# KiCad board uf2-batch-flasher.kicad_pcb (continued)
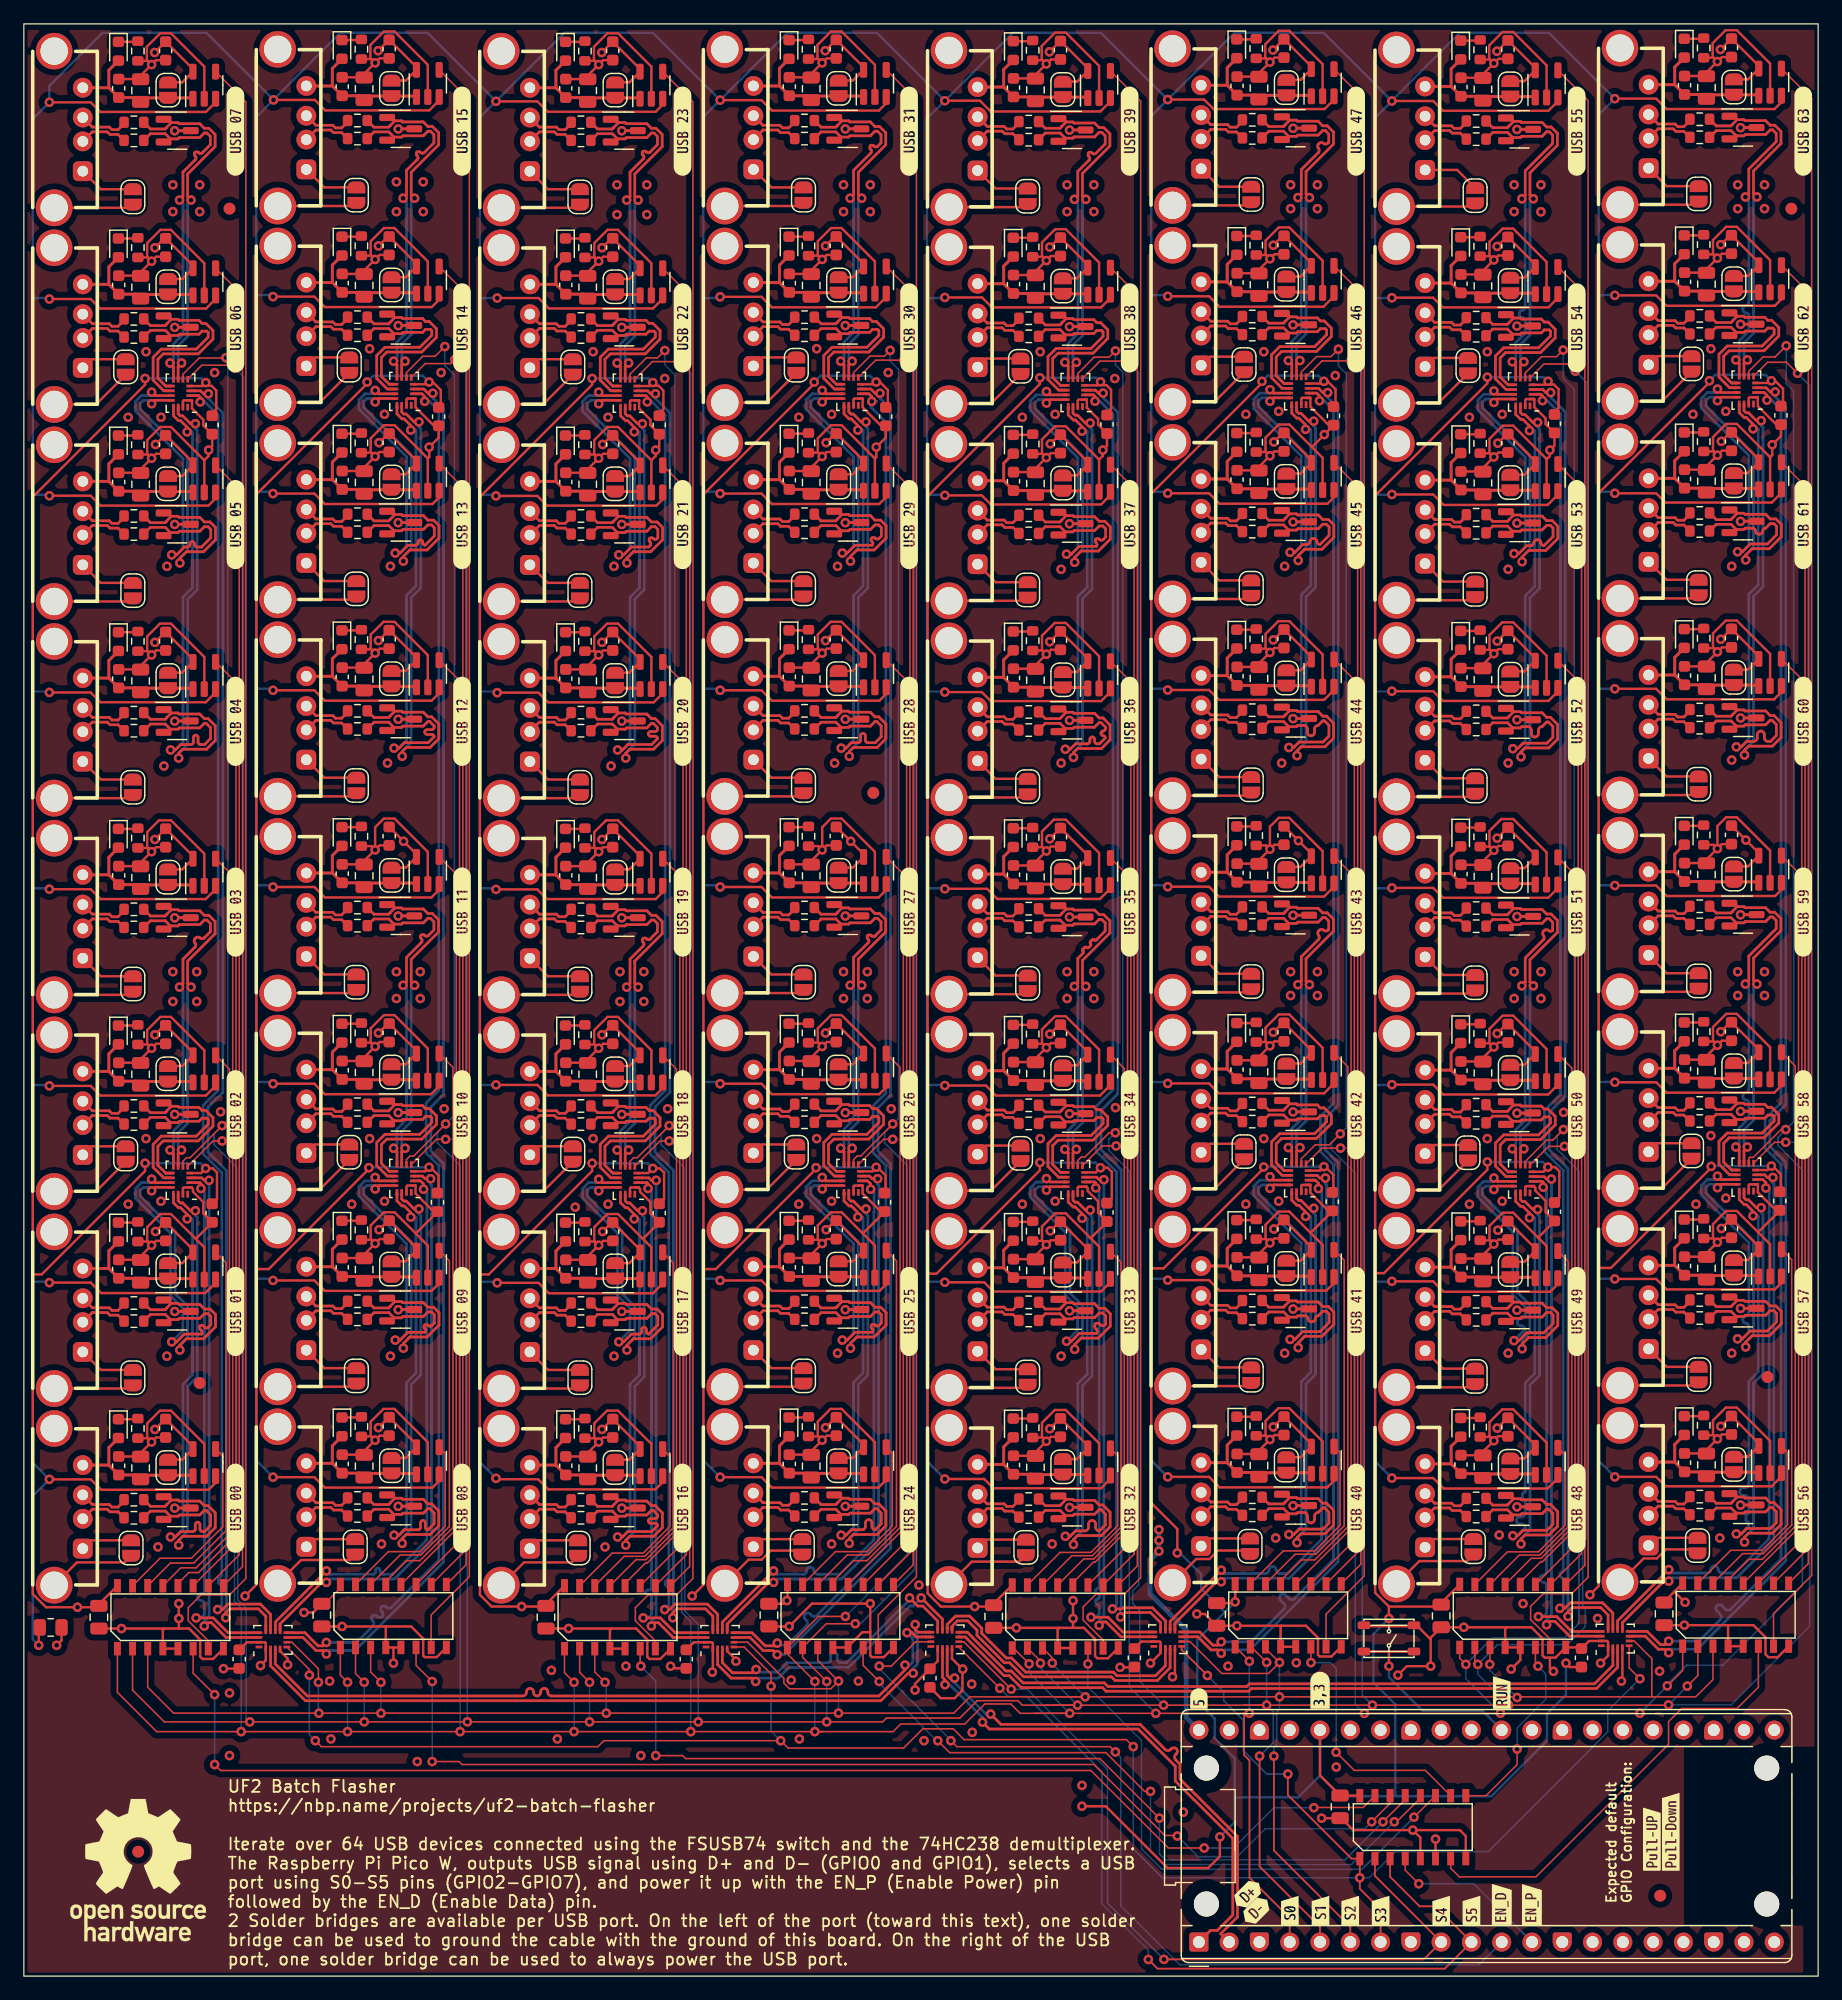
[diagram p0: board, top side]
## Nets (continued)
/16usb-ports2/4usb-port1/usb-port2/VBUS: C5602.1 C5605.1 D5601.2 J5601.1 JP5602.1 U5601.1
/16usb-ports2/4usb-port1/usb-port3/VBUS: C6402.1 C6405.1 D6401.2 J6401.1 JP6402.1 U6401.1
/16usb-ports2/4usb-port2/usb-port0/VBUS: C5402.1 C5405.1 D5401.2 J5401.1 JP5402.1 U5401.1
/16usb-ports2/4usb-port2/usb-port1/VBUS: C4602.1 C4605.1 D4601.2 J4601.1 JP4602.1 U4601.1
/16usb-ports2/4usb-port2/usb-port2/VBUS: C4502.1 C4505.1 D4501.2 J4501.1 JP4502.1 U4501.1
/16usb-ports2/4usb-port2/usb-port3/VBUS: C5302.1 C5305.1 D5301.2 J5301.1 JP5302.1 U5301.1
/16usb-ports2/4usb-port3/usb-port0/VBUS: C5702.1 C5705.1 D5701.2 J5701.1 JP5702.1 U5701.1
/16usb-ports2/4usb-port3/usb-port1/VBUS: C4702.1 C4705.1 D4701.2 J4701.1 JP4702.1 U4701.1
/16usb-ports2/4usb-port3/usb-port2/VBUS: C5802.1 C5805.1 D5801.2 J5801.1 JP5802.1 U5801.1
/16usb-ports2/4usb-port3/usb-port3/VBUS: C6202.1 C6205.1 D6201.2 J6201.1 JP6202.1 U6201.1
/16usb-ports3/4usb-port0/usb-port0/VBUS: C8402.1 C8405.1 D8401.2 J8401.1 JP8402.1 U8401.1
/16usb-ports3/4usb-port0/usb-port1/VBUS: C6902.1 C6905.1 D6901.2 J6901.1 JP6902.1 U6901.1
/16usb-ports3/4usb-port0/usb-port2/VBUS: C7002.1 C7005.1 D7001.2 J7001.1 JP7002.1 U7001.1
/16usb-ports3/4usb-port0/usb-port3/VBUS: C8002.1 C8005.1 D8001.2 J8001.1 JP8002.1 U8001.1
/16usb-ports3/4usb-port1/usb-port0/VBUS: C6602.1 C6605.1 D6601.2 J6601.1 JP6602.1 U6601.1
/16usb-ports3/4usb-port1/usb-port1/VBUS: C6702.1 C6705.1 D6701.2 J6701.1 JP6702.1 U6701.1
/16usb-ports3/4usb-port1/usb-port2/VBUS: C7902.1 C7905.1 D7901.2 J7901.1 JP7902.1 U7901.1
/16usb-ports3/4usb-port1/usb-port3/VBUS: C7402.1 C7405.1 D7401.2 J7401.1 JP7402.1 U7401.1
/16usb-ports3/4usb-port2/usb-port0/VBUS: C7502.1 C7505.1 D7501.2 J7501.1 JP7502.1 U7501.1
/16usb-ports3/4usb-port2/usb-port1/VBUS: C8202.1 C8205.1 D8201.2 J8201.1 JP8202.1 U8201.1
/16usb-ports3/4usb-port2/usb-port2/VBUS: C6802.1 C6805.1 D6801.2 J6801.1 JP6802.1 U6801.1
/16usb-ports3/4usb-port2/usb-port3/VBUS: C7302.1 C7305.1 D7301.2 J7301.1 JP7302.1 U7301.1
/16usb-ports3/4usb-port3/usb-port0/VBUS: C7202.1 C7205.1 D7201.2 J7201.1 JP7202.1 U7201.1
/16usb-ports3/4usb-port3/usb-port1/VBUS: C7702.1 C7705.1 D7701.2 J7701.1 JP7702.1 U7701.1
/16usb-ports3/4usb-port3/usb-port2/VBUS: C7602.1 C7605.1 D7601.2 J7601.1 JP7602.1 U7601.1
/16usb-ports3/4usb-port3/usb-port3/VBUS: C8302.1 C8305.1 D8301.2 J8301.1 JP8302.1 U8301.1
GND: C101.2 C102.2 C201.2 C202.2 C203.2 C301.2 C401.2 C402.2 C405.2 C501.2 C502.2 C505.2 C601.2 C602.2 C605.2 C701.2 C702.2 C705.2 C801.2 C901.2 C902.2 C905.2 C1001.2 C1002.2 C1005.2 C1101.2 C1102.2 C1105.2 C1201.2 C1202.2 C1205.2 C1301.2 C1401.2 C1402.2 C1405.2 C1501.2 C1502.2 C1505.2 C1601.2 C1602.2 C1605.2 C1701.2 C1702.2 C1705.2 C1801.2 C1901.2 C1902.2 C1905.2 C2001.2 C2002.2 C2005.2 C2101.2 C2102.2 C2105.2 C2201.2 C2202.2 C2205.2 C2301.2 C2302.2 C2303.2 C2401.2 C2402.2 C2405.2 C2501.2 C2502.2 C2505.2 C2601.2 C2602.2 C2605.2 C2701.2 C2801.2 C2802.2 C2805.2 C2901.2 C2902.2 C2905.2 C3001.2 C3002.2 C3005.2 C3101.2 C3201.2 C3202.2 C3205.2 C3301.2 C3302.2 C3305.2 C3401.2 C3402.2 C3405.2 C3501.2 C3601.2 C3602.2 C3605.2 C3701.2 C3702.2 C3705.2 C3801.2 C3802.2 C3805.2 C3901.2 C3902.2 C3905.2 C4001.2 C4101.2 C4102.2 C4105.2 C4201.2 C4202.2 C4205.2 C4301.2 C4302.2 C4305.2 C4401.2 C4402.2 C4403.2 C4501.2 C4502.2 C4505.2 C4601.2 C4602.2 C4605.2 C4701.2 C4702.2 C4705.2 C4801.2 C4901.2 C4902.2 C4905.2 C5001.2 C5101.2 C5102.2 C5105.2 C5201.2 C5301.2 C5302.2 C5305.2 C5401.2 C5402.2 C5405.2 C5501.2 C5502.2 C5505.2 C5601.2 C5602.2 C5605.2 C5701.2 C5702.2 C5705.2 C5801.2 C5802.2 C5805.2 C5901.2 C6001.2 C6002.2 C6005.2 C6101.2 C6102.2 C6105.2 C6201.2 C6202.2 C6205.2 C6301.2 C6302.2 C6305.2 C6401.2 C6402.2 C6405.2 C6501.2 C6502.2 C6503.2 C6601.2 C6602.2 C6605.2 C6701.2 C6702.2 C6705.2 C6801.2 C6802.2 C6805.2 C6901.2 C6902.2 C6905.2 C7001.2 C7002.2 C7005.2 C7101.2 C7201.2 C7202.2 C7205.2 C7301.2 C7302.2 C7305.2 C7401.2 C7402.2 C7405.2 C7501.2 C7502.2 C7505.2 C7601.2 C7602.2 C7605.2 C7701.2 C7702.2 C7705.2 C7801.2 C7901.2 C7902.2 C7905.2 C8001.2 C8002.2 C8005.2 C8101.2 C8201.2 C8202.2 C8205.2 C8301.2 C8302.2 C8305.2 C8401.2 C8402.2 C8405.2 C8501.2 D402.3 D502.3 D602.3 D702.3 D902.3 D1002.3 D1102.3 D1202.3 D1402.3 D1502.3 D1602.3 D1702.3 D1902.3 D2002.3 D2102.3 D2202.3 D2402.3 D2502.3 D2602.3 D2802.3 D2902.3 D3002.3 D3202.3 D3302.3 D3402.3 D3602.3 D3702.3 D3802.3 D3902.3 D4102.3 D4202.3 D4302.3 D4502.3 D4602.3 D4702.3 D4902.3 D5102.3 D5302.3 D5402.3 D5502.3 D5602.3 D5702.3 D5802.3 D6002.3 D6102.3 D6202.3 D6302.3 D6402.3 D6602.3 D6702.3 D6802.3 D6902.3 D7002.3 D7202.3 D7302.3 D7402.3 D7502.3 D7602.3 D7702.3 D7902.3 D8002.3 D8202.3 D8302.3 D8402.3 J401.4 J501.4 J601.4 J701.4 J901.4 J1001.4 J1101.4 J1201.4 J1401.4 J1501.4 J1601.4 J1701.4 J1901.4 J2001.4 J2101.4 J2201.4 J2401.4 J2501.4 J2601.4 J2801.4 J2901.4 J3001.4 J3201.4 J3301.4 J3401.4 J3601.4 J3701.4 J3801.4 J3901.4 J4101.4 J4201.4 J4301.4 J4501.4 J4601.4 J4701.4 J4901.4 J5101.4 J5301.4 J5401.4 J5501.4 J5601.4 J5701.4 J5801.4 J6001.4 J6101.4 J6201.4 J6301.4 J6401.4 J6601.4 J6701.4 J6801.4 J6901.4 J7001.4 J7201.4 J7301.4 J7401.4 J7501.4 J7601.4 J7701.4 J7901.4 J8001.4 J8201.4 J8301.4 J8401.4 JP401.1 JP501.1 JP601.1 JP701.1 JP901.1 JP1001.1 JP1101.1 JP1201.1 JP1401.1 JP1501.1 JP1601.1 JP1701.1 JP1901.1 JP2001.1 JP2101.1 JP2201.1 JP2401.1 JP2501.1 JP2601.1 JP2801.1 JP2901.1 JP3001.1 JP3201.1 JP3301.1 JP3401.1 JP3601.1 JP3701.1 JP3801.1 JP3901.1 JP4101.1 JP4201.1 JP4301.1 JP4501.1 JP4601.1 JP4701.1 JP4901.1 JP5101.1 JP5301.1 JP5401.1 JP5501.1 JP5601.1 JP5701.1 JP5801.1 JP6001.1 JP6101.1 JP6201.1 JP6301.1 JP6401.1 JP6601.1 JP6701.1 JP6801.1 JP6901.1 JP7001.1 JP7201.1 JP7301.1 JP7401.1 JP7501.1 JP7601.1 JP7701.1 JP7901.1 JP8001.1 JP8201.1 JP8301.1 JP8401.1 R401.2 R502.2 R602.2 R702.2 R902.2 R1002.2 R1102.2 R1202.2 R1402.2 R1502.2 R1602.2 R1702.2 R1902.2 R2002.2 R2102.2 R2202.2 R2402.2 R2502.2 R2602.2 R2802.2 R2902.2 R3002.2 R3202.2 R3302.2 R3402.2 R3602.2 R3702.2 R3802.2 R3902.2 R4102.2 R4202.2 R4302.2 R4502.2 R4602.2 R4702.2 R4902.2 R5102.2 R5302.2 R5402.2 R5502.2 R5602.2 R5702.2 R5802.2 R6002.2 R6102.2 R6202.2 R6302.2 R6402.2 R6602.2 R6702.2 R6802.2 R6902.2 R7002.2 R7202.2 R7302.2 R7402.2 R7502.2 R7602.2 R7702.2 R7902.2 R8002.2 R8202.2 R8302.2 R8402.2 SW101.1 SW101.2 U102.1 U103.5 U103.8 U104.3 U104.8 U104.13 U104.18 U104.23 U104.28 U104.33 U104.38 U201.1 U201.15 U202.4 U202.5 U202.8 U203.4 U203.5 U203.8 U301.1 U301.15 U401.2 U501.2 U601.2 U701.2 U801.1 U801.15 U901.2 U1001.2 U1101.2 U1201.2 U1301.1 U1301.15 U1401.2 U1501.2 U1601.2 U1701.2 U1801.1 U1801.15 U1901.2 U2001.2 U2101.2 U2201.2 U2301.4 U2301.5 U2301.8 U2302.4 U2302.5 U2302.8 U2303.1 U2303.15 U2401.2 U2501.2 U2601.2 U2701.1 U2701.15 U2801.2 U2901.2 U3001.2 U3101.1 U3101.15 U3201.2 U3301.2 U3401.2 U3501.1 U3501.15 U3601.2 U3701.2 U3801.2 U3901.2 U4001.1 U4001.15 U4101.2 U4201.2 U4301.2 U4401.4 U4401.5 U4401.8 U4402.4 U4402.5 U4402.8 U4403.1 U4403.15 U4501.2 U4601.2 U4701.2 U4801.1 U4801.15 U4901.2 U5001.1 U5001.15 U5101.2 U5201.1 U5201.15 U5301.2 U5401.2 U5501.2 U5601.2 U5701.2 U5801.2 U5901.1 U5901.15 U6001.2 U6101.2 U6201.2 U6301.2 U6401.2 U6501.4 U6501.5 U6501.8 U6502.4 U6502.5 U6502.8 U6503.1 U6503.15 U6601.2 U6701.2 U6801.2 U6901.2 U7001.2 U7101.1 U7101.15 U7201.2 U7301.2 U7401.2 U7501.2 U7601.2 U7701.2 U7801.1 U7801.15 U7901.2 U8001.2 U8101.1 U8101.15 U8201.2 U8301.2 U8401.2 U8501.1 U8501.15
/16usb-ports0/4usb-port0/D0+: D402.2 R403.2 U301.13
/16usb-ports0/4usb-port0/D0-: D402.1 R404.2 U301.14
/16usb-ports0/4usb-port0/D1+: D502.2 R503.2 U301.11
/16usb-ports0/4usb-port0/D1-: D502.1 R504.2 U301.12
/16usb-ports0/4usb-port0/D2+: D602.2 R603.2 U301.10
/16usb-ports0/4usb-port0/D2-: D602.1 R604.2 U301.9
/16usb-ports0/4usb-port0/D3+: D702.2 R703.2 U301.8
/16usb-ports0/4usb-port0/D3-: D702.1 R704.2 U301.7
/16usb-ports0/4usb-port0/D+: U201.13 U301.2
/16usb-ports0/4usb-port0/D-: U201.14 U301.3
/16usb-ports0/4usb-port0/usb-port0/Conn_D+: J401.3 R403.1
/16usb-ports0/4usb-port0/usb-port0/Conn_D-: J401.2 R404.1
/16usb-ports0/4usb-port0/usb-port1/Conn_D+: J501.3 R503.1
/16usb-ports0/4usb-port0/usb-port1/Conn_D-: J501.2 R504.1
/16usb-ports0/4usb-port0/usb-port2/Conn_D+: J601.3 R603.1
/16usb-ports0/4usb-port0/usb-port2/Conn_D-: J601.2 R604.1
/16usb-ports0/4usb-port0/usb-port3/Conn_D+: J701.3 R703.1
/16usb-ports0/4usb-port0/usb-port3/Conn_D-: J701.2 R704.1
/16usb-ports0/4usb-port1/D0+: D1002.2 R1003.2 U801.13
/16usb-ports0/4usb-port1/D0-: D1002.1 R1004.2 U801.14
/16usb-ports0/4usb-port1/D1+: D902.2 R903.2 U801.11
/16usb-ports0/4usb-port1/D1-: D902.1 R904.2 U801.12
/16usb-ports0/4usb-port1/D2+: D1102.2 R1103.2 U801.10
/16usb-ports0/4usb-port1/D2-: D1102.1 R1104.2 U801.9
/16usb-ports0/4usb-port1/D3+: D1202.2 R1203.2 U801.8
/16usb-ports0/4usb-port1/D3-: D1202.1 R1204.2 U801.7
/16usb-ports0/4usb-port1/D+: U201.11 U801.2
/16usb-ports0/4usb-port1/D-: U201.12 U801.3
/16usb-ports0/4usb-port1/usb-port0/Conn_D+: J1001.3 R1003.1
/16usb-ports0/4usb-port1/usb-port0/Conn_D-: J1001.2 R1004.1
/16usb-ports0/4usb-port1/usb-port1/Conn_D+: J901.3 R903.1
/16usb-ports0/4usb-port1/usb-port1/Conn_D-: J901.2 R904.1
/16usb-ports0/4usb-port1/usb-port2/Conn_D+: J1101.3 R1103.1
/16usb-ports0/4usb-port1/usb-port2/Conn_D-: J1101.2 R1104.1
/16usb-ports0/4usb-port1/usb-port3/Conn_D+: J1201.3 R1203.1
/16usb-ports0/4usb-port1/usb-port3/Conn_D-: J1201.2 R1204.1
/16usb-ports0/4usb-port2/D0+: D1602.2 R1603.2 U1301.13
/16usb-ports0/4usb-port2/D0-: D1602.1 R1604.2 U1301.14
/16usb-ports0/4usb-port2/D1+: D1702.2 R1703.2 U1301.11
/16usb-ports0/4usb-port2/D1-: D1702.1 R1704.2 U1301.12
/16usb-ports0/4usb-port2/D2+: D1402.2 R1403.2 U1301.10
/16usb-ports0/4usb-port2/D2-: D1402.1 R1404.2 U1301.9
/16usb-ports0/4usb-port2/D3+: D1502.2 R1503.2 U1301.8
/16usb-ports0/4usb-port2/D3-: D1502.1 R1504.2 U1301.7
/16usb-ports0/4usb-port2/D+: U201.10 U1301.2
/16usb-ports0/4usb-port2/D-: U201.9 U1301.3
/16usb-ports0/4usb-port2/usb-port0/Conn_D+: J1601.3 R1603.1
/16usb-ports0/4usb-port2/usb-port0/Conn_D-: J1601.2 R1604.1
/16usb-ports0/4usb-port2/usb-port1/Conn_D+: J1701.3 R1703.1
/16usb-ports0/4usb-port2/usb-port1/Conn_D-: J1701.2 R1704.1
/16usb-ports0/4usb-port2/usb-port2/Conn_D+: J1401.3 R1403.1
/16usb-ports0/4usb-port2/usb-port2/Conn_D-: J1401.2 R1404.1
/16usb-ports0/4usb-port2/usb-port3/Conn_D+: J1501.3 R1503.1
/16usb-ports0/4usb-port2/usb-port3/Conn_D-: J1501.2 R1504.1
/16usb-ports0/4usb-port3/D0+: D2202.2 R2203.2 U1801.13
/16usb-ports0/4usb-port3/D0-: D2202.1 R2204.2 U1801.14
/16usb-ports0/4usb-port3/D1+: D2102.2 R2103.2 U1801.11
/16usb-ports0/4usb-port3/D1-: D2102.1 R2104.2 U1801.12
/16usb-ports0/4usb-port3/D2+: D2002.2 R2003.2 U1801.10
/16usb-ports0/4usb-port3/D2-: D2002.1 R2004.2 U1801.9
/16usb-ports0/4usb-port3/D3+: D1902.2 R1903.2 U1801.8
/16usb-ports0/4usb-port3/D3-: D1902.1 R1904.2 U1801.7
/16usb-ports0/4usb-port3/D+: U201.8 U1801.2
/16usb-ports0/4usb-port3/D-: U201.7 U1801.3
/16usb-ports0/4usb-port3/usb-port0/Conn_D+: J2201.3 R2203.1
/16usb-ports0/4usb-port3/usb-port0/Conn_D-: J2201.2 R2204.1
/16usb-ports0/4usb-port3/usb-port1/Conn_D+: J2101.3 R2103.1
/16usb-ports0/4usb-port3/usb-port1/Conn_D-: J2101.2 R2104.1
/16usb-ports0/4usb-port3/usb-port2/Conn_D+: J2001.3 R2003.1
/16usb-ports0/4usb-port3/usb-port2/Conn_D-: J2001.2 R2004.1
/16usb-ports0/4usb-port3/usb-port3/Conn_D+: J1901.3 R1903.1
/16usb-ports0/4usb-port3/usb-port3/Conn_D-: J1901.2 R1904.1
/16usb-ports0/D+: U102.13 U201.2
/16usb-ports0/D-: U102.14 U201.3
/16usb-ports0/EN_00: U203.15 U401.4
/16usb-ports0/EN_01: U203.14 U501.4
/16usb-ports0/EN_02: U203.13 U601.4
/16usb-ports0/EN_03: U203.12 U701.4
/16usb-ports0/EN_04: U203.11 U1001.4
/16usb-ports0/EN_05: U203.10 U901.4
/16usb-ports0/EN_06: U203.9 U1101.4
/16usb-ports0/EN_07: U203.7 U1201.4
/16usb-ports0/EN_10: U202.15 U1601.4
/16usb-ports0/EN_11: U202.14 U1701.4
/16usb-ports0/EN_12: U202.13 U1401.4
/16usb-ports0/EN_13: U202.12 U1501.4
/16usb-ports0/EN_14: U202.11 U2201.4
/16usb-ports0/EN_15: U202.10 U2101.4
/16usb-ports0/EN_16: U202.9 U2001.4
/16usb-ports0/EN_17: U202.7 U1901.4
/16usb-ports1/4usb-port0/D0+: D3602.2 R3603.2 U3101.13
/16usb-ports1/4usb-port0/D0-: D3602.1 R3604.2 U3101.14
/16usb-ports1/4usb-port0/D1+: D3402.2 R3403.2 U3101.11
/16usb-ports1/4usb-port0/D1-: D3402.1 R3404.2 U3101.12
/16usb-ports1/4usb-port0/D2+: D3902.2 R3903.2 U3101.10
/16usb-ports1/4usb-port0/D2-: D3902.1 R3904.2 U3101.9
/16usb-ports1/4usb-port0/D3+: D4102.2 R4103.2 U3101.8
/16usb-ports1/4usb-port0/D3-: D4102.1 R4104.2 U3101.7
/16usb-ports1/4usb-port0/D+: U2303.13 U3101.2
/16usb-ports1/4usb-port0/D-: U2303.14 U3101.3
/16usb-ports1/4usb-port0/usb-port0/Conn_D+: J3601.3 R3603.1
/16usb-ports1/4usb-port0/usb-port0/Conn_D-: J3601.2 R3604.1
/16usb-ports1/4usb-port0/usb-port1/Conn_D+: J3401.3 R3403.1
/16usb-ports1/4usb-port0/usb-port1/Conn_D-: J3401.2 R3404.1
/16usb-ports1/4usb-port0/usb-port2/Conn_D+: J3901.3 R3903.1
/16usb-ports1/4usb-port0/usb-port2/Conn_D-: J3901.2 R3904.1
/16usb-ports1/4usb-port0/usb-port3/Conn_D+: J4101.3 R4103.1
/16usb-ports1/4usb-port0/usb-port3/Conn_D-: J4101.2 R4104.1
/16usb-ports1/4usb-port1/D0+: D2402.2 R2403.2 U4001.13
/16usb-ports1/4usb-port1/D0-: D2402.1 R2404.2 U4001.14
/16usb-ports1/4usb-port1/D1+: D3802.2 R3803.2 U4001.11
/16usb-ports1/4usb-port1/D1-: D3802.1 R3804.2 U4001.12
/16usb-ports1/4usb-port1/D2+: D3002.2 R3003.2 U4001.10
/16usb-ports1/4usb-port1/D2-: D3002.1 R3004.2 U4001.9
/16usb-ports1/4usb-port1/D3+: D3702.2 R3703.2 U4001.8
/16usb-ports1/4usb-port1/D3-: D3702.1 R3704.2 U4001.7
/16usb-ports1/4usb-port1/D+: U2303.11 U4001.2
/16usb-ports1/4usb-port1/D-: U2303.12 U4001.3
/16usb-ports1/4usb-port1/usb-port0/Conn_D+: J2401.3 R2403.1
/16usb-ports1/4usb-port1/usb-port0/Conn_D-: J2401.2 R2404.1
/16usb-ports1/4usb-port1/usb-port1/Conn_D+: J3801.3 R3803.1
/16usb-ports1/4usb-port1/usb-port1/Conn_D-: J3801.2 R3804.1
/16usb-ports1/4usb-port1/usb-port2/Conn_D+: J3001.3 R3003.1
/16usb-ports1/4usb-port1/usb-port2/Conn_D-: J3001.2 R3004.1
/16usb-ports1/4usb-port1/usb-port3/Conn_D+: J3701.3 R3703.1
/16usb-ports1/4usb-port1/usb-port3/Conn_D-: J3701.2 R3704.1
/16usb-ports1/4usb-port2/D0+: D2902.2 R2903.2 U3501.13
/16usb-ports1/4usb-port2/D0-: D2902.1 R2904.2 U3501.14
/16usb-ports1/4usb-port2/D1+: D3302.2 R3303.2 U3501.11
/16usb-ports1/4usb-port2/D1-: D3302.1 R3304.2 U3501.12
/16usb-ports1/4usb-port2/D2+: D3202.2 R3203.2 U3501.10
/16usb-ports1/4usb-port2/D2-: D3202.1 R3204.2 U3501.9
/16usb-ports1/4usb-port2/D3+: D2802.2 R2803.2 U3501.8
/16usb-ports1/4usb-port2/D3-: D2802.1 R2804.2 U3501.7
/16usb-ports1/4usb-port2/D+: U2303.10 U3501.2
/16usb-ports1/4usb-port2/D-: U2303.9 U3501.3
/16usb-ports1/4usb-port2/usb-port0/Conn_D+: J2901.3 R2903.1
/16usb-ports1/4usb-port2/usb-port0/Conn_D-: J2901.2 R2904.1
/16usb-ports1/4usb-port2/usb-port1/Conn_D+: J3301.3 R3303.1
/16usb-ports1/4usb-port2/usb-port1/Conn_D-: J3301.2 R3304.1
/16usb-ports1/4usb-port2/usb-port2/Conn_D+: J3201.3 R3203.1
/16usb-ports1/4usb-port2/usb-port2/Conn_D-: J3201.2 R3204.1
/16usb-ports1/4usb-port2/usb-port3/Conn_D+: J2801.3 R2803.1
/16usb-ports1/4usb-port2/usb-port3/Conn_D-: J2801.2 R2804.1
/16usb-ports1/4usb-port3/D0+: D4302.2 R4303.2 U2701.13
/16usb-ports1/4usb-port3/D0-: D4302.1 R4304.2 U2701.14
/16usb-ports1/4usb-port3/D1+: D2602.2 R2603.2 U2701.11
/16usb-ports1/4usb-port3/D1-: D2602.1 R2604.2 U2701.12
/16usb-ports1/4usb-port3/D2+: D2502.2 R2503.2 U2701.10
/16usb-ports1/4usb-port3/D2-: D2502.1 R2504.2 U2701.9
/16usb-ports1/4usb-port3/D3+: D4202.2 R4203.2 U2701.8
/16usb-ports1/4usb-port3/D3-: D4202.1 R4204.2 U2701.7
/16usb-ports1/4usb-port3/D+: U2303.8 U2701.2
/16usb-ports1/4usb-port3/D-: U2303.7 U2701.3
/16usb-ports1/4usb-port3/usb-port0/Conn_D+: J4301.3 R4303.1
/16usb-ports1/4usb-port3/usb-port0/Conn_D-: J4301.2 R4304.1
/16usb-ports1/4usb-port3/usb-port1/Conn_D+: J2601.3 R2603.1
/16usb-ports1/4usb-port3/usb-port1/Conn_D-: J2601.2 R2604.1
/16usb-ports1/4usb-port3/usb-port2/Conn_D+: J2501.3 R2503.1
/16usb-ports1/4usb-port3/usb-port2/Conn_D-: J2501.2 R2504.1
/16usb-ports1/4usb-port3/usb-port3/Conn_D+: J4201.3 R4203.1
/16usb-ports1/4usb-port3/usb-port3/Conn_D-: J4201.2 R4204.1
/16usb-ports1/D+: U102.11 U2303.2
/16usb-ports1/D-: U102.12 U2303.3
/16usb-ports1/EN_00: U2301.15 U3601.4
/16usb-ports1/EN_01: U2301.14 U3401.4
/16usb-ports1/EN_02: U2301.13 U3901.4
/16usb-ports1/EN_03: U2301.12 U4101.4
/16usb-ports1/EN_04: U2301.11 U2401.4
/16usb-ports1/EN_05: U2301.10 U3801.4
/16usb-ports1/EN_06: U2301.9 U3001.4
/16usb-ports1/EN_07: U2301.7 U3701.4
/16usb-ports1/EN_10: U2302.15 U2901.4
/16usb-ports1/EN_11: U2302.14 U3301.4
/16usb-ports1/EN_12: U2302.13 U3201.4
/16usb-ports1/EN_13: U2302.12 U2801.4
/16usb-ports1/EN_14: U2302.11 U4301.4
/16usb-ports1/EN_15: U2302.10 U2601.4
/16usb-ports1/EN_16: U2302.9 U2501.4
/16usb-ports1/EN_17: U2302.7 U4201.4
/16usb-ports2/4usb-port0/D0+: D4902.2 R4903.2 U4801.13
/16usb-ports2/4usb-port0/D0-: D4902.1 R4904.2 U4801.14
/16usb-ports2/4usb-port0/D1+: D6302.2 R6303.2 U4801.11
/16usb-ports2/4usb-port0/D1-: D6302.1 R6304.2 U4801.12
/16usb-ports2/4usb-port0/D2+: D6002.2 R6003.2 U4801.10
/16usb-ports2/4usb-port0/D2-: D6002.1 R6004.2 U4801.9
/16usb-ports2/4usb-port0/D3+: D6102.2 R6103.2 U4801.8
/16usb-ports2/4usb-port0/D3-: D6102.1 R6104.2 U4801.7
/16usb-ports2/4usb-port0/D+: U4403.13 U4801.2
/16usb-ports2/4usb-port0/D-: U4403.14 U4801.3
/16usb-ports2/4usb-port0/usb-port0/Conn_D+: J4901.3 R4903.1
/16usb-ports2/4usb-port0/usb-port0/Conn_D-: J4901.2 R4904.1
/16usb-ports2/4usb-port0/usb-port1/Conn_D+: J6301.3 R6303.1
/16usb-ports2/4usb-port0/usb-port1/Conn_D-: J6301.2 R6304.1
/16usb-ports2/4usb-port0/usb-port2/Conn_D+: J6001.3 R6003.1
/16usb-ports2/4usb-port0/usb-port2/Conn_D-: J6001.2 R6004.1
/16usb-ports2/4usb-port0/usb-port3/Conn_D+: J6101.3 R6103.1
/16usb-ports2/4usb-port0/usb-port3/Conn_D-: J6101.2 R6104.1
/16usb-ports2/4usb-port1/D0+: D5102.2 R5103.2 U5901.13
/16usb-ports2/4usb-port1/D0-: D5102.1 R5104.2 U5901.14
/16usb-ports2/4usb-port1/D1+: D5502.2 R5503.2 U5901.11
/16usb-ports2/4usb-port1/D1-: D5502.1 R5504.2 U5901.12
/16usb-ports2/4usb-port1/D2+: D5602.2 R5603.2 U5901.10
/16usb-ports2/4usb-port1/D2-: D5602.1 R5604.2 U5901.9
/16usb-ports2/4usb-port1/D3+: D6402.2 R6403.2 U5901.8
/16usb-ports2/4usb-port1/D3-: D6402.1 R6404.2 U5901.7
/16usb-ports2/4usb-port1/D+: U4403.11 U5901.2
/16usb-ports2/4usb-port1/D-: U4403.12 U5901.3
/16usb-ports2/4usb-port1/usb-port0/Conn_D+: J5101.3 R5103.1
/16usb-ports2/4usb-port1/usb-port0/Conn_D-: J5101.2 R5104.1
/16usb-ports2/4usb-port1/usb-port1/Conn_D+: J5501.3 R5503.1
/16usb-ports2/4usb-port1/usb-port1/Conn_D-: J5501.2 R5504.1
/16usb-ports2/4usb-port1/usb-port2/Conn_D+: J5601.3 R5603.1
/16usb-ports2/4usb-port1/usb-port2/Conn_D-: J5601.2 R5604.1
/16usb-ports2/4usb-port1/usb-port3/Conn_D+: J6401.3 R6403.1
/16usb-ports2/4usb-port1/usb-port3/Conn_D-: J6401.2 R6404.1
/16usb-ports2/4usb-port2/D0+: D5402.2 R5403.2 U5201.13
/16usb-ports2/4usb-port2/D0-: D5402.1 R5404.2 U5201.14
/16usb-ports2/4usb-port2/D1+: D4602.2 R4603.2 U5201.11
/16usb-ports2/4usb-port2/D1-: D4602.1 R4604.2 U5201.12
/16usb-ports2/4usb-port2/D2+: D4502.2 R4503.2 U5201.10
/16usb-ports2/4usb-port2/D2-: D4502.1 R4504.2 U5201.9
/16usb-ports2/4usb-port2/D3+: D5302.2 R5303.2 U5201.8
/16usb-ports2/4usb-port2/D3-: D5302.1 R5304.2 U5201.7
/16usb-ports2/4usb-port2/D+: U4403.10 U5201.2
/16usb-ports2/4usb-port2/D-: U4403.9 U5201.3
/16usb-ports2/4usb-port2/usb-port0/Conn_D+: J5401.3 R5403.1
/16usb-ports2/4usb-port2/usb-port0/Conn_D-: J5401.2 R5404.1
/16usb-ports2/4usb-port2/usb-port1/Conn_D+: J4601.3 R4603.1
/16usb-ports2/4usb-port2/usb-port1/Conn_D-: J4601.2 R4604.1
/16usb-ports2/4usb-port2/usb-port2/Conn_D+: J4501.3 R4503.1
/16usb-ports2/4usb-port2/usb-port2/Conn_D-: J4501.2 R4504.1
/16usb-ports2/4usb-port2/usb-port3/Conn_D+: J5301.3 R5303.1
/16usb-ports2/4usb-port2/usb-port3/Conn_D-: J5301.2 R5304.1
/16usb-ports2/4usb-port3/D0+: D5702.2 R5703.2 U5001.13
/16usb-ports2/4usb-port3/D0-: D5702.1 R5704.2 U5001.14
/16usb-ports2/4usb-port3/D1+: D4702.2 R4703.2 U5001.11
/16usb-ports2/4usb-port3/D1-: D4702.1 R4704.2 U5001.12
/16usb-ports2/4usb-port3/D2+: D5802.2 R5803.2 U5001.10
/16usb-ports2/4usb-port3/D2-: D5802.1 R5804.2 U5001.9
/16usb-ports2/4usb-port3/D3+: D6202.2 R6203.2 U5001.8
/16usb-ports2/4usb-port3/D3-: D6202.1 R6204.2 U5001.7
/16usb-ports2/4usb-port3/D+: U4403.8 U5001.2
/16usb-ports2/4usb-port3/D-: U4403.7 U5001.3
/16usb-ports2/4usb-port3/usb-port0/Conn_D+: J5701.3 R5703.1
/16usb-ports2/4usb-port3/usb-port0/Conn_D-: J5701.2 R5704.1
/16usb-ports2/4usb-port3/usb-port1/Conn_D+: J4701.3 R4703.1
/16usb-ports2/4usb-port3/usb-port1/Conn_D-: J4701.2 R4704.1
/16usb-ports2/4usb-port3/usb-port2/Conn_D+: J5801.3 R5803.1
/16usb-ports2/4usb-port3/usb-port2/Conn_D-: J5801.2 R5804.1
/16usb-ports2/4usb-port3/usb-port3/Conn_D+: J6201.3 R6203.1
/16usb-ports2/4usb-port3/usb-port3/Conn_D-: J6201.2 R6204.1
/16usb-ports2/D+: U102.10 U4403.2
/16usb-ports2/D-: U102.9 U4403.3
/16usb-ports2/EN_00: U4401.15 U4901.4
/16usb-ports2/EN_01: U4401.14 U6301.4
/16usb-ports2/EN_02: U4401.13 U6001.4
/16usb-ports2/EN_03: U4401.12 U6101.4
/16usb-ports2/EN_04: U4401.11 U5101.4
/16usb-ports2/EN_05: U4401.10 U5501.4
/16usb-ports2/EN_06: U4401.9 U5601.4
/16usb-ports2/EN_07: U4401.7 U6401.4
/16usb-ports2/EN_10: U4402.15 U5401.4
/16usb-ports2/EN_11: U4402.14 U4601.4
/16usb-ports2/EN_12: U4402.13 U4501.4
/16usb-ports2/EN_13: U4402.12 U5301.4
/16usb-ports2/EN_14: U4402.11 U5701.4
/16usb-ports2/EN_15: U4402.10 U4701.4
/16usb-ports2/EN_16: U4402.9 U5801.4
/16usb-ports2/EN_17: U4402.7 U6201.4
/16usb-ports3/4usb-port0/D0+: D8402.2 R8403.2 U8501.13
/16usb-ports3/4usb-port0/D0-: D8402.1 R8404.2 U8501.14
/16usb-ports3/4usb-port0/D1+: D6902.2 R6903.2 U8501.11
/16usb-ports3/4usb-port0/D1-: D6902.1 R6904.2 U8501.12
/16usb-ports3/4usb-port0/D2+: D7002.2 R7003.2 U8501.10
/16usb-ports3/4usb-port0/D2-: D7002.1 R7004.2 U8501.9
/16usb-ports3/4usb-port0/D3+: D8002.2 R8003.2 U8501.8
/16usb-ports3/4usb-port0/D3-: D8002.1 R8004.2 U8501.7
/16usb-ports3/4usb-port0/D+: U6503.13 U8501.2
/16usb-ports3/4usb-port0/D-: U6503.14 U8501.3
/16usb-ports3/4usb-port0/usb-port0/Conn_D+: J8401.3 R8403.1
/16usb-ports3/4usb-port0/usb-port0/Conn_D-: J8401.2 R8404.1
/16usb-ports3/4usb-port0/usb-port1/Conn_D+: J6901.3 R6903.1
/16usb-ports3/4usb-port0/usb-port1/Conn_D-: J6901.2 R6904.1
/16usb-ports3/4usb-port0/usb-port2/Conn_D+: J7001.3 R7003.1
/16usb-ports3/4usb-port0/usb-port2/Conn_D-: J7001.2 R7004.1
/16usb-ports3/4usb-port0/usb-port3/Conn_D+: J8001.3 R8003.1
/16usb-ports3/4usb-port0/usb-port3/Conn_D-: J8001.2 R8004.1
/16usb-ports3/4usb-port1/D0+: D6602.2 R6603.2 U7101.13
/16usb-ports3/4usb-port1/D0-: D6602.1 R6604.2 U7101.14
/16usb-ports3/4usb-port1/D1+: D6702.2 R6703.2 U7101.11
/16usb-ports3/4usb-port1/D1-: D6702.1 R6704.2 U7101.12
/16usb-ports3/4usb-port1/D2+: D7902.2 R7903.2 U7101.10
/16usb-ports3/4usb-port1/D2-: D7902.1 R7904.2 U7101.9
/16usb-ports3/4usb-port1/D3+: D7402.2 R7403.2 U7101.8
/16usb-ports3/4usb-port1/D3-: D7402.1 R7404.2 U7101.7
/16usb-ports3/4usb-port1/D+: U6503.11 U7101.2
/16usb-ports3/4usb-port1/D-: U6503.12 U7101.3
/16usb-ports3/4usb-port1/usb-port0/Conn_D+: J6601.3 R6603.1
/16usb-ports3/4usb-port1/usb-port0/Conn_D-: J6601.2 R6604.1
/16usb-ports3/4usb-port1/usb-port1/Conn_D+: J6701.3 R6703.1
/16usb-ports3/4usb-port1/usb-port1/Conn_D-: J6701.2 R6704.1
/16usb-ports3/4usb-port1/usb-port2/Conn_D+: J7901.3 R7903.1
/16usb-ports3/4usb-port1/usb-port2/Conn_D-: J7901.2 R7904.1
/16usb-ports3/4usb-port1/usb-port3/Conn_D+: J7401.3 R7403.1
/16usb-ports3/4usb-port1/usb-port3/Conn_D-: J7401.2 R7404.1
/16usb-ports3/4usb-port2/D0+: D7502.2 R7503.2 U8101.13
/16usb-ports3/4usb-port2/D0-: D7502.1 R7504.2 U8101.14
/16usb-ports3/4usb-port2/D1+: D8202.2 R8203.2 U8101.11
/16usb-ports3/4usb-port2/D1-: D8202.1 R8204.2 U8101.12
/16usb-ports3/4usb-port2/D2+: D6802.2 R6803.2 U8101.10
/16usb-ports3/4usb-port2/D2-: D6802.1 R6804.2 U8101.9
/16usb-ports3/4usb-port2/D3+: D7302.2 R7303.2 U8101.8
/16usb-ports3/4usb-port2/D3-: D7302.1 R7304.2 U8101.7
/16usb-ports3/4usb-port2/D+: U6503.10 U8101.2
/16usb-ports3/4usb-port2/D-: U6503.9 U8101.3
/16usb-ports3/4usb-port2/usb-port0/Conn_D+: J7501.3 R7503.1
/16usb-ports3/4usb-port2/usb-port0/Conn_D-: J7501.2 R7504.1
/16usb-ports3/4usb-port2/usb-port1/Conn_D+: J8201.3 R8203.1
/16usb-ports3/4usb-port2/usb-port1/Conn_D-: J8201.2 R8204.1
/16usb-ports3/4usb-port2/usb-port2/Conn_D+: J6801.3 R6803.1
/16usb-ports3/4usb-port2/usb-port2/Conn_D-: J6801.2 R6804.1
/16usb-ports3/4usb-port2/usb-port3/Conn_D+: J7301.3 R7303.1
/16usb-ports3/4usb-port2/usb-port3/Conn_D-: J7301.2 R7304.1
/16usb-ports3/4usb-port3/D0+: D7202.2 R7203.2 U7801.13
/16usb-ports3/4usb-port3/D0-: D7202.1 R7204.2 U7801.14
/16usb-ports3/4usb-port3/D1+: D7702.2 R7703.2 U7801.11
/16usb-ports3/4usb-port3/D1-: D7702.1 R7704.2 U7801.12
/16usb-ports3/4usb-port3/D2+: D7602.2 R7603.2 U7801.10
/16usb-ports3/4usb-port3/D2-: D7602.1 R7604.2 U7801.9
/16usb-ports3/4usb-port3/D3+: D8302.2 R8303.2 U7801.8
/16usb-ports3/4usb-port3/D3-: D8302.1 R8304.2 U7801.7
/16usb-ports3/4usb-port3/D+: U6503.8 U7801.2
/16usb-ports3/4usb-port3/D-: U6503.7 U7801.3
/16usb-ports3/4usb-port3/usb-port0/Conn_D+: J7201.3 R7203.1
